# Allegro board ftu_k64_evk.brd
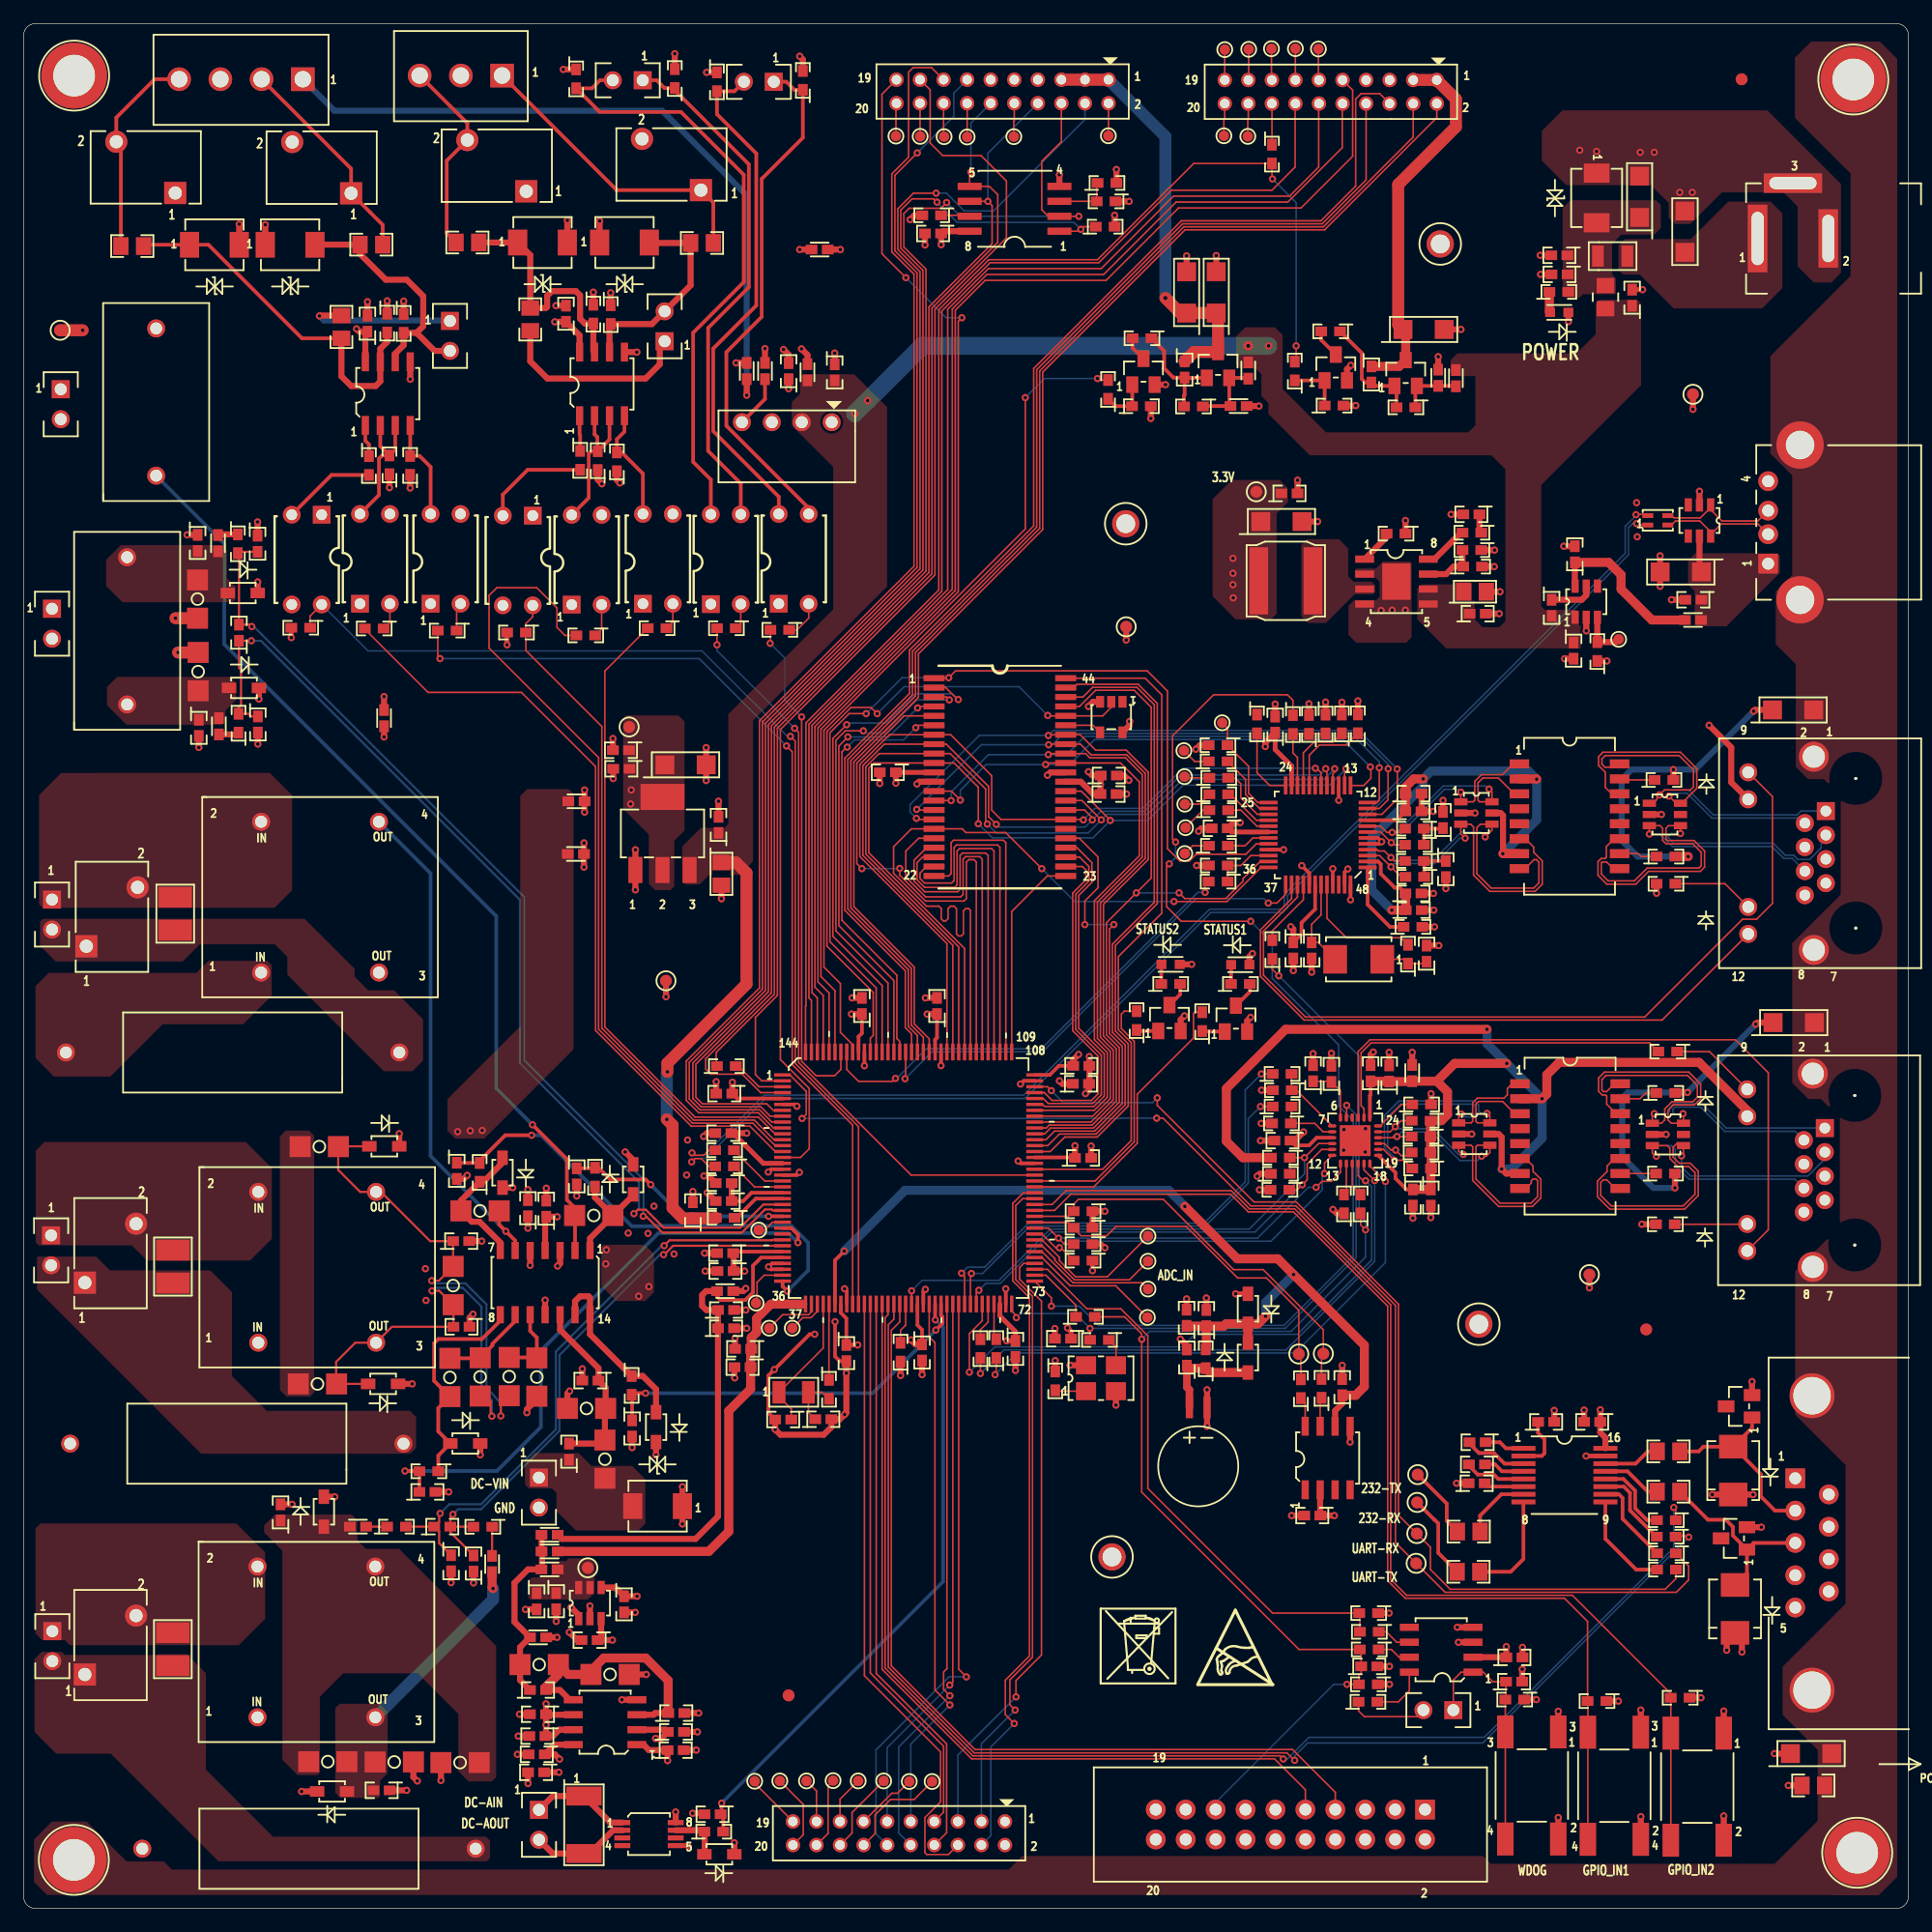
[diagram p0: board, top side]
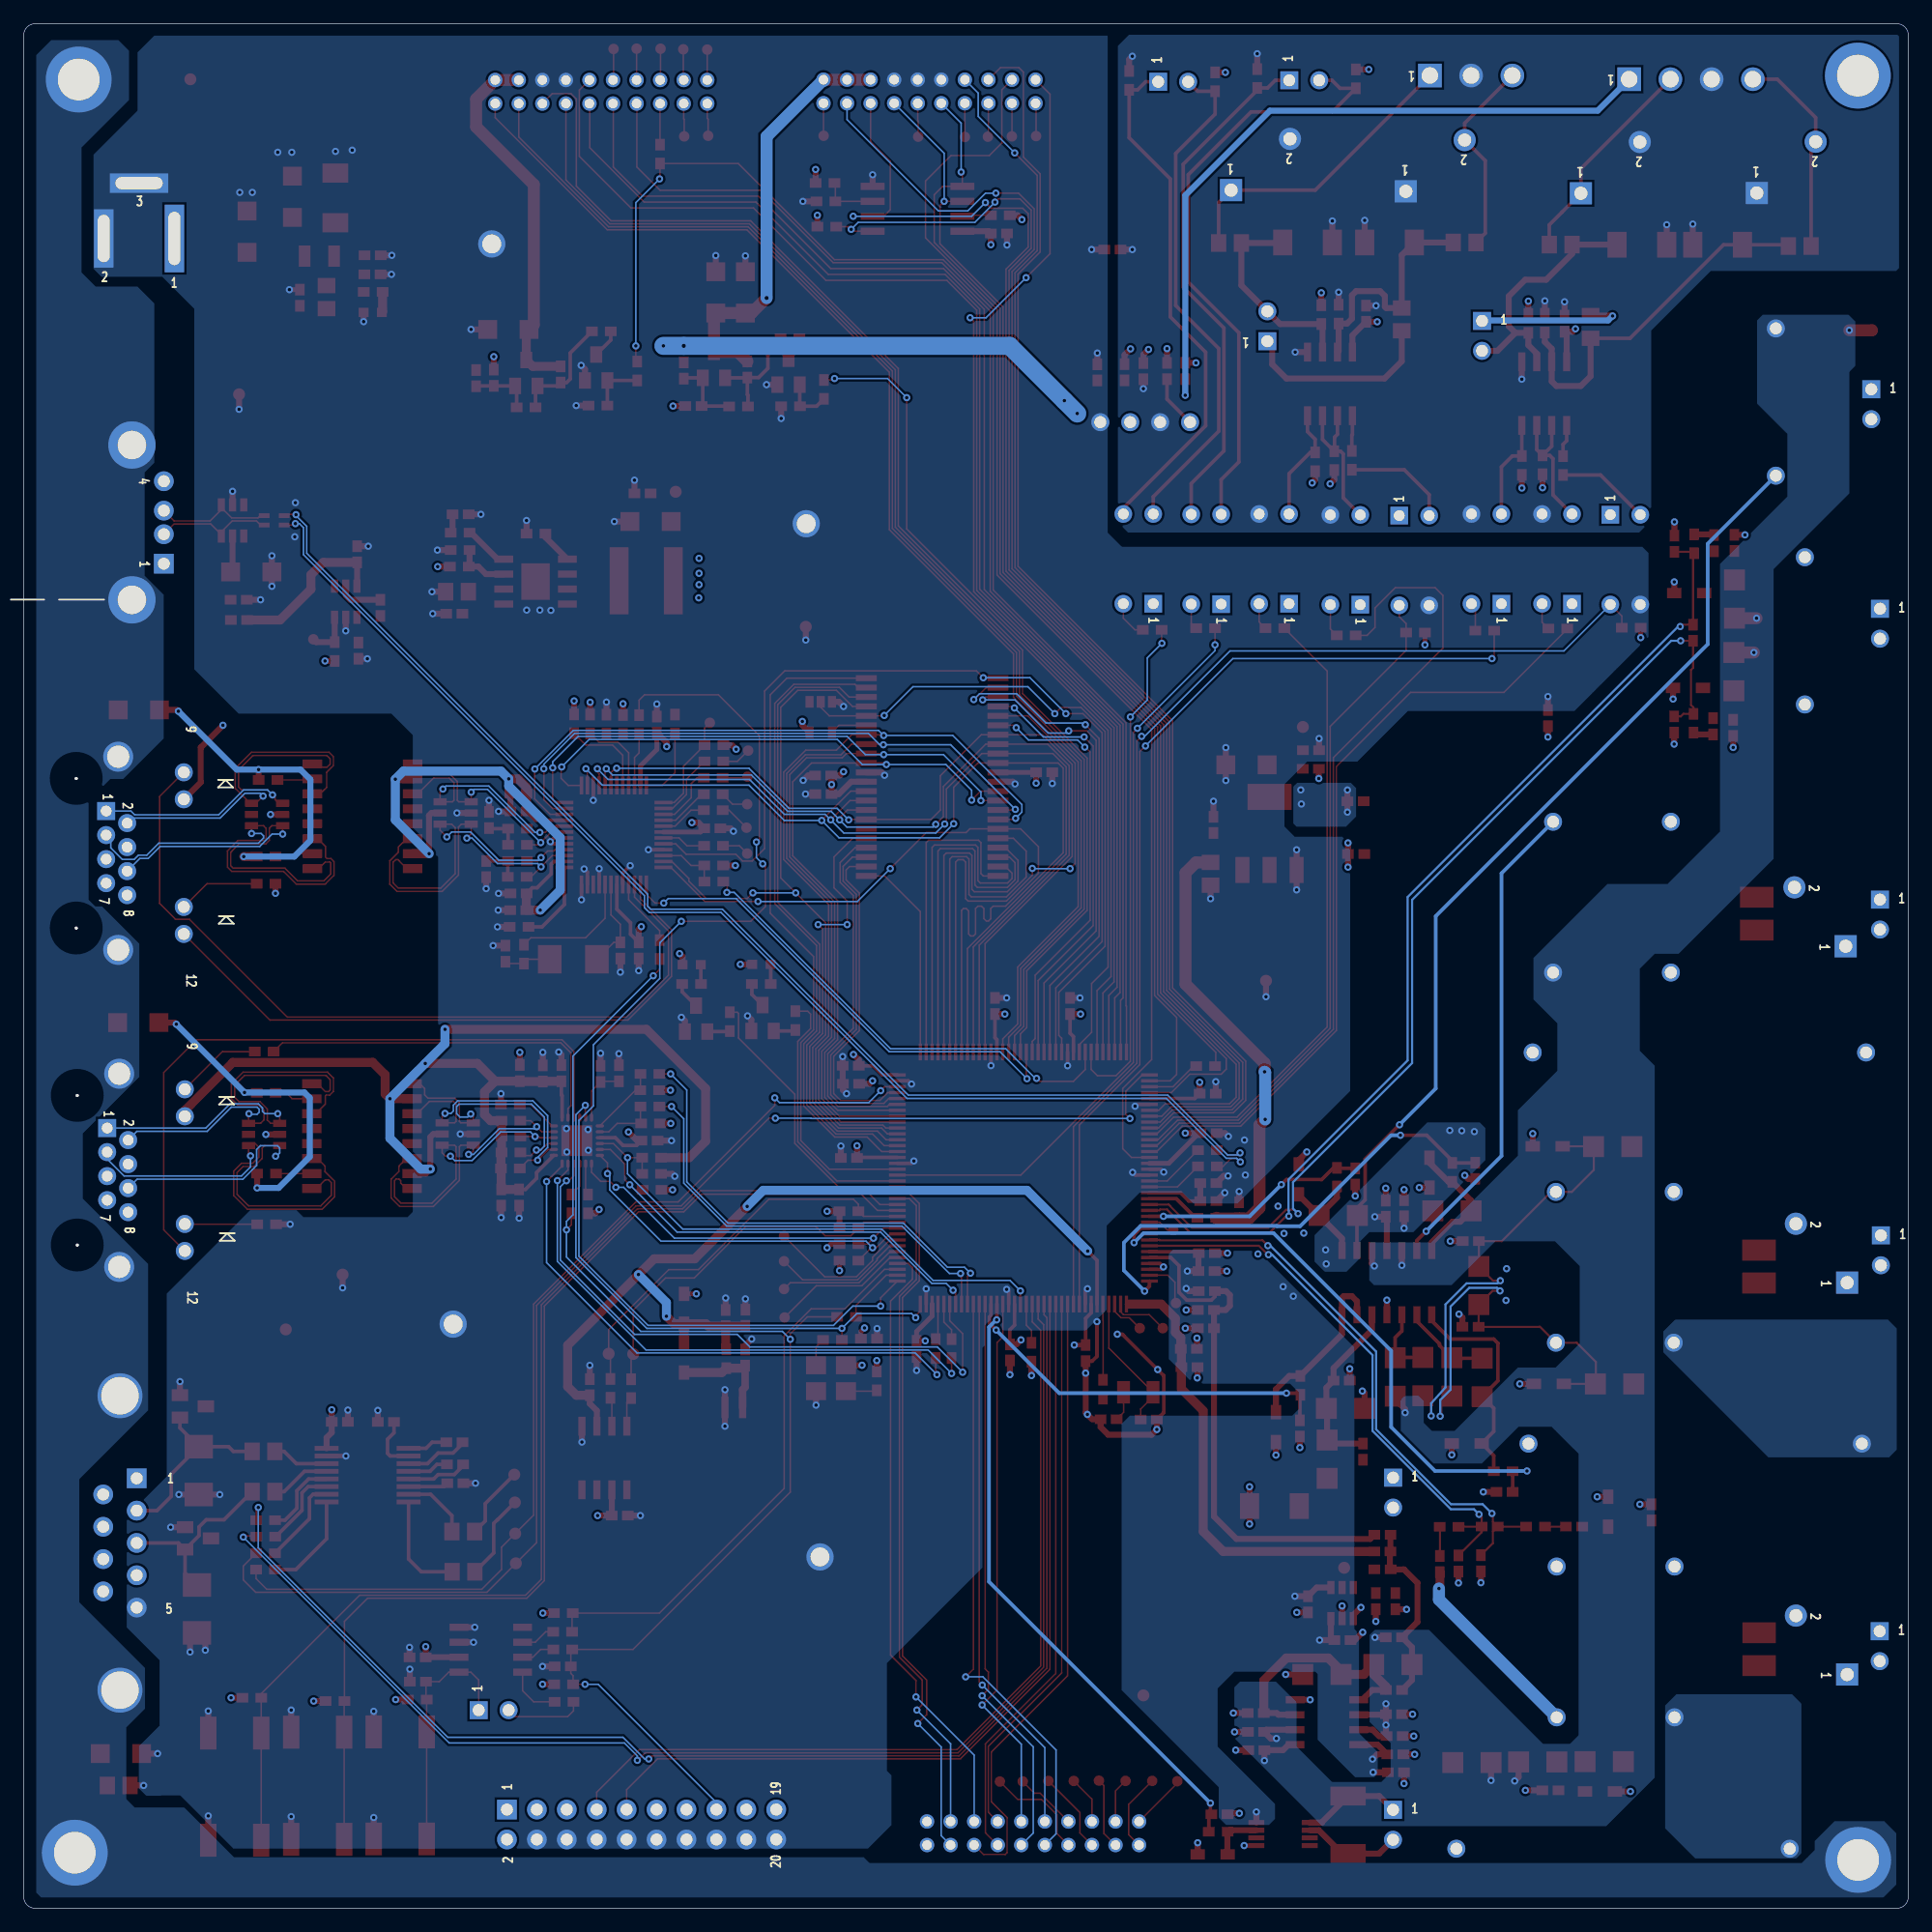
[diagram p1: board, bottom side, seen from below]

Outline 160 x 160 mm; copper layers: TOP, VCC, GND, BOTTOM. Coordinates in mm from the lower left corner of the outline.
Outline path: 0,158.98 0,1.02 arc(0.3,0.3) 1.02,0 158.98,0 arc(159.7,0.3) 160,1.02 160,158.98 arc(159.7,159.7) 158.98,160 1.02,160 arc(0.3,159.7) 0,158.98

## Design rules (mm)
net group AGND: nets N16923020 N16923054
net group DEBUG_RX: nets DEBUG_RX N16758843
net group DEBUG_TX: nets DEBUG_TX N16758837
net group DIFFPAIR0: nets ETH2_TXN ETH2_TXP
net group DIFFPAIR1: nets ETH2_RXN ETH2_RXP
net group DIFFPAIR2: nets ETH1_TXN ETH1_TXP
net group DIFFPAIR3: nets ETH1_RXN ETH1_RXP
net group DIFFPAIR4: nets ENET2_TX+ ENET2_TX-
net group DIFFPAIR5: nets ENET2_RX+ ENET2_RX-
net group DIFFPAIR6: nets ENET1_TX+ ENET1_TX-
net group DIFFPAIR7: nets ENET1_RX+ ENET1_RX-
net group DIFFPAIR8: nets USB_HOST_D_N USB_HOST_D_P
net group DIFFPAIR9: nets I2A_N I2A_P
net group DIFFPAIR11: nets U2_IN_L U2_IN_N
net group ENET_3V3A: nets ENET_3V3A RMII0_RXER
net group GPRS_PWR_CNTL: nets GPRS_PWR_CNTL N17042189
net group N16852593: nets N16852593 N16964483
net group RESET_B: nets N16852627 RESET_B
net group UART1_RX: nets N16997663 UART1_RX
net group UART1_TX: nets N16997666 UART1_TX
net group WDOG: nets N16852920 WDOG

## Placement (name value [footprint] x y rotation side)
BT1  MS621  [BAT_621]  99.71 40.93 180 top
C1  4.7UF  [CC0603]  89.76 70 0 top
C2  0.1UF  [CC0603]  77.54 76.61 90 top
C3  0.1UF  [CC0603]  71.17 76.61 90 top
C4  0.1UF  [CC0603]  89.94 63.7 0 top
C5  0.1UF  [CC0603]  59.48 69.16 180 top
C6  0.1UF  [CC0603]  69.84 47.14 270 top
C7  0.1UF  [CC0603]  59.41 65.81 180 top
C8  0.1UF  [CC0603]  89.78 71.53 0 top
C9  0.1UF  [CC0603]  76.27 47.19 270 top
C10  0.1UF  [CC0603]  84.2 47.5 270 top
C11  0.1UF  [CC0603]  61.08 47.5 180 top
C12  1.0UF  [CC0603]  61.03 45.95 180 top
C13  0.1UF  [CC0603]  59.63 49.25 0 top
C14  1.0UF  [CC0603]  59.63 50.8 0 top
C15  0.1UF  [CC0603]  59.56 55.63 180 top
C16  1.0UF  [CC0603]  59.58 54.1 180 top
C17  0.1UF  [CC0603]  59.43 61.57 180 top
C18  1.0UF  [CC0603]  59.43 60.05 180 top
C19  0.1UF  [CC0603]  56.81 59.26 90 top
C20  5.6PF  [CC0603]  64.49 41.5 180 top
C21  5.6PF  [CC0603]  67.89 41.53 0 top
C22  0.1UF  [CC0603]  109.39 33.35 180 top
C23  0.1UF  [CC0603]  111.93 44.25 90 top
C24  1.0UF  [CC0603]  100.4 50.11 90 top
C25  0.1UF  [CC0603]  98.72 50.14 90 top
C26  0.1UF  [CC0603]  88.23 48.36 180 top
C27  0.1UF  [CC0603]  98.75 46.76 90 top
C28  4.7UF  [CC0603]  73.36 96.44 180 top
C29  0.1UF  [CC0603]  92.1 94.6 0 top
C30  0.1UF  [CC0603]  92.13 96.17 0 top
C31  0.1UF  [CC0603]  77.21 142.18 180 top
C32  1.0UF  [CC0603]  44.37 59.4 90 top
C33  0.1UF  [CC0603]  42.81 59.44 90 top
C34  3300PF  [CC0603]  46.96 62.14 270 top
C35  0.01UF  [CC0603]  14.88 100.22 270 top
C36  3300PF  [CC0603]  19.89 100.5 270 top
C37  1000PF  [CC0603]  18.28 108.29 90 top
C38  0.01UF  [CC0603]  14.78 115.91 270 top
C39  3300PF  [CC0603]  36.77 62.61 270 top
C40  3300PF  [CC0603]  19.86 115.84 270 top
C41  4700pF  [CC1210]  12.87 84.44 90 top
C42  3300PF  [CC0603]  34.28 35.36 0 top
C43  0.01UF  [CC0603]  37.15 56.65 0 top
C44  4700pF  [CC1210]  12.68 54.48 90 top
C45  0.01UF  [CC0603]  37.17 49.37 180 top
C46  0.01UF  [CC0603]  46.3 38.77 90 top
C47  0.01UF  [CC0603]  48.11 44.81 180 top
C48  3300PF  [CC0603]  51.66 40.75 270 top
C49  0.01UF  [CC0603]  21.81 33.62 90 top
C50  3300PF  [CC0603]  36.29 29.3 270 top
C51  4700pF  [CC1210]  12.67 22.01 90 top
C52  1000PF  [CC0603]  35.54 32.41 0 top
C53  0.01UF  [CC0603]  30.39 10.03 180 top
C54  3300PF  [CC0603]  38.2 29.28 90 top
C55  3300PF  [CC0603]  58.49 7.99 180 top
C56  1.0UF  [CC0603]  50.97 25.82 270 top
C57  0.1UF  [CC0603]  48.05 22.78 180 top
C58  1.0UF  [CC0603]  43.55 26.07 270 top
C59  0.1UF  [CC0603]  45.21 26.08 270 top
C60  4.7UF  [CC0603]  115.92 70.88 90 top
C61  0.1UF  [CC0603]  119.46 60.35 270 top
C62  0.1UF  [CC0603]  106.87 65.18 180 top
C63  0.1UF  [CC0603]  117.93 60.35 270 top
C64  0.1UF  [CC0603]  114.35 70.9 90 top
C65  1000PF  [CC1206]  150.26 75.2 0 top
C66  1000PF  [CC1206]  151.73 13.14 0 top
C67  1.0UF  [CC0603]  111.02 70.84 90 top
C68  0.1UF  [CC0603]  109.46 70.9 90 top
C69  4.7UF  [CC0603]  107.79 81.32 270 top
C70  0.1UF  [CC0603]  106.24 100.49 90 top
C71  0.1UF  [CC0603]  101.54 91.69 180 top
C72  4.7UF  [CC0603]  117.99 94.63 0 top
C73  0.1UF  [CC0603]  117.98 93.12 0 top
C74  0.1UF  [CC0603]  118.01 84.74 0 top
C75  0.1UF  [CC0603]  117.98 86.16 0 top
C76  1000PF  [CC1206]  150.21 101.74 0 top
C77  8PF  [CC0603]  119.1 81.05 90 top
C78  8PF  [CC0603]  109.34 81.32 270 top
C80  100uF  [CC1206]  140.67 113.45 180 top
C81  2.2uF  [CC0603]  141.74 111.09 180 top
C82  2.2uF  [CC0603]  131.58 106.77 270 top
C83  1000PF  [CC0603]  129.71 110.4 270 top
C84  2.2uF  [CC0603]  131.68 114.95 90 top
C85  0.1UF  [CC0603]  29.19 134.53 90 top
C86  0.1UF  [CC0603]  68.85 130.39 270 top
C87  0.1UF  [CC0603]  64.94 130.49 90 top
C88  0.1UF  [CC0603]  46.05 135.37 90 top
C89  0.1UF  [CC0603]  129.24 41.3 0 top
C90  0.1UF  [CC0603]  133.15 41.3 180 top
C91  0.1UF  [CC0603]  123.35 36.09 0 top
C92  0.1UF  [CC0603]  123.38 37.69 180 top
C93  0.1UF  [CC0603]  123.43 39.57 180 top
C95  0.1UF  [CC0603]  126.52 19.25 0 top
C96  0.1UF  [CC0603]  126.55 21.31 0 top
C97  0.1UF  [CC0603]  114.23 20.55 0 top
C98  100uF  [CC1206]  98.73 137.18 90 top
C99  100uF  [CC1206]  101.24 137.18 90 top
C100  0.1UF  [CC0603]  98.56 130.63 270 top
C101  100uF  [CC1206]  118.84 134.03 0 top
C102  0.1UF  [CC0603]  114.41 130.21 270 top
C103  100uF  [CC1206]  137.18 145.3 90 top
C104  1.0UF  [CC0603]  130.38 138.71 180 top
C105  0.1UF  [CC0603]  130.37 140.33 180 top
C106  0.1UF  [CC0603]  136.55 136.73 90 top
C107  10UF  [CC0805]  123.21 111.77 0 top
C108  0.1UF  [CC0603]  123.44 109.91 0 top
C109  47uF  [CC1206]  106.78 117.73 0 top
C110  0.1UF  [CC0603]  107.46 120.12 0 top
C111  470pF  [CC0603]  122.9 118.34 180 top
C112  10UF  [CC0805]  59.24 87.83 270 top
C113  0.1UF  [CC0603]  58.99 91.98 90 top
C114  47uF  [CC1206]  56.19 97.08 0 top
C115  0.1UF  [CC0603]  50.74 96.74 180 top
C116  0.1UF  [CC0603]  50.71 98.32 180 top
C117  0.1UF  [CC0603]  43.56 13.08 180 top
C118  1.0UF  [CC0603]  43.51 11.56 180 top
C119  0.1UF  [CC0603]  43.67 16.48 180 top
C120  1.0UF  [CC0603]  55.38 14.99 0 top
C121  0.1UF  [CC0603]  55.35 13.44 0 top
C122  1.0UF  [CC0603]  43.61 14.63 180 top
C123  0.1UF  [CC0603]  43.67 18.54 0 top
C124  0.1UF  [CC0603]  55.41 16.59 0 top
C125  0.1UF  [CC0603]  120.49 92.39 90 top
C126  0.1UF  [CC0603]  120.73 88.23 270 top
CT1  TR2155-2C 5A:2.5mA  [CT_2A]  11.26 127.87 90 top
CT2  TR2155-2C 5A:2.5mA  [CT_2A]  8.79 108.45 90 top
D1  NSR0320  [SOD323]  103.93 50.9 0 top
D2  NSR0320  [SOD323]  103.93 46.76 180 top
D3  PESD3V3L1BA  [SOD323]  51.75 61.89 180 top
D4  PESD3V3L1BA  [SOD323]  40.66 62.46 0 top
D5  PESD3V3L1BA  [SOD323]  37.5 39.47 90 top
D6  PESD3V3L1BA  [SOD323]  53.69 40.86 0 top
D7  PESD3V3L1BA  [SOD323]  59.06 4.6 90 top
D8  RED  [LED_0603]  103.29 80.11 180 top
D9  RED  [LED_0603]  97.37 80.14 180 top
D10  SMP100LC-25  [DO-214AA]  145.28 25.43 90 top
D11  SMP100LC-25  [DO-214AA]  145.13 37.17 90 top
D12  LED_GREEN  [LED_0603]  130.36 135.48 0 top
D13  PESD3V3L1BA  [SOD323]  18.71 103.61 90 top
D14  PESD3V3L1BA  [SOD323]  18.61 111.66 90 top
D15  PESD3V3L1BA  [SOD323]  30.62 64.7 90 top
D16  PESD3V3L1BA  [SOD323]  30.52 44.53 90 top
D17  PESD3V3L1BA  [SOD323]  26.19 9.93 270 top
D18  PESD3V3L1BA  [SOD323]  25.49 33.68 180 top
DN1  ESDA14V2L  [SOT-23]  145.19 31.41 90 top
DN2  ESDA14V2L  [SOT-23]  145.62 42.62 90 top
F1  5A/32V  [FUSE_3P4X1P8]  134.89 140.26 180 top
J1  HDR 1X2  [HDR102]  3.16 128.96 0 top
J2  HDR 1X2  [HDR102]  2.42 110.32 0 top
J3  HDR 1X2  [HDR102]  2.42 85.64 0 top
J4  HDR 1X2  [HDR102]  2.34 57.14 0 top
J5  HDR 1X2  [HDR102]  43.75 36.57 0 top
J6  HDR 1X2  [HDR102]  43.75 8.37 0 top
J7  HDR 1X2  [HDR102]  2.44 23.53 0 top
J8  HDR 1X2  [HDR102]  52.56 155.19 270 top
J9  HDR 1X2  [HDR102]  63.68 155.06 270 top
J10  Female HDR_2X10_2MM  [HDR210_2MM]  74.31 6.38 180 top
J11  USB_TYPE_A  [USB_A]  148.09 114.15 90 top
J12  HDR 1X2  [HDR102]  36.2 134.76 0 top
J13  TB_1X4  [CON4_3P5_14P5X7MM]  23.71 155.28 180 top
J14  HDR 1X2  [HDR102]  54.42 133.03 180 top
J15  TB_1X3  [CON3_3P5_11X7MM]  40.62 155.59 180 top
J16  DB9  [CON_DB9S_RA_318]  150.39 36.51 0 top
J17  HDR 1X2  [HDR102]  121.37 16.83 270 top
J18  HDR 2X10  [HDR_2X10]  118.97 8.39 270 top
J21  Female HDR_2X10_2MM  [HDR210_2MM]  83.1 154.24 180 top
J22  Female HDR_2X10_2MM  [HDR210_2MM]  110.96 154.21 180 top
L1  120OHM  [IND_0603]  59.56 52.4 0 top
L2  120OHM  [IND_0603]  30.6 101.04 90 top
L3  120OHM  [IND_0603]  46.88 89.51 0 top
L4  120OHM  [IND_0603]  46.93 93.98 0 top
L5  120OHM  [IND_0603]  16.58 100.35 270 top
L6  120OHM  [IND_0603]  16.51 115.89 90 top
L7  120OHM  [IND_0603]  28.39 32.41 0 top
L8  120OHM  [IND_0603]  39.77 29.23 90 top
L9  120OHM  [IND_0603]  44.66 30.3 180 top
L10  120OHM  [IND_0603]  44.65 28.78 180 top
L11  120OHM  [IND_0603]  117.88 70.91 270 top
L12  120OHM  [IND_0603]  141.71 109.37 0 top
L14  90OHM  [IND4_CHOKE_0805]  138.72 117.83 0 top
L15  120OHM  [IND_0603]  62.94 130.5 90 top
L16  120OHM  [IND_0603]  66.54 130.4 90 top
L17  120OHM  [IND_0603]  61.39 130.51 90 top
L18  120OHM  [IND_0603]  67.58 140.82 180 top
L20  120OHM  [IND_0603]  103.14 127.53 0 top
L21  120OHM  [IND_0603]  120.08 129.93 90 top
L22  120OHM  [IND_0603]  103.96 130.55 90 top
L23  120OHM  [IND_0603]  121.58 129.9 90 top
L24  60ohm  [IND_0805]  134.28 136.78 270 top
L25  2.2uH  [IND2_6P3X6P3]  107.15 112.7 180 top
L26  120OHM  [IND_0603]  43.68 23.01 180 top
L27  120OHM  [IND_0603]  44.65 31.72 180 top
NOREF  -  []  110.98 63.12 0 top
NOREF#2  -  []  51.71 34.15 0 top
NOREF#3  -  []  106.38 94.63 0 top
NOREF#4  -  []  113.79 63.22 0 top
NOREF#5  -  []  64.43 53.25 0 top
NOREF#6  -  [unnamed#2]  145.84 155.27 0 top
NOREF#7  -  []  121.84 141.29 0 top
NOREF#8  -  []  48.9 141.41 0 top
NOREF#9  -  []  20.33 139.24 0 top
NOREF#10  -  []  41.75 139.43 0 top
NOREF#11  -  []  -404.37 -311.53 0 top
NOREF#12  -  []  135.53 68.73 90 top
NOREF#13  -  []  95.15 117.54 0 top
NOREF#14  -  []  134.96 59.08 90 top
NOREF#15  -  []  20.52 141.22 0 top
NOREF#16  -  []  51.52 36.13 0 top
NOREF#17  -  []  127.6 59.08 0 top
NOREF#18  -  []  70.38 51.3 0 top
NOREF#19  -  [unnamed#2]  64.94 18.08 0 top
NOREF#20  -  []  6.6 -66.29 0 top
NOREF#21  -  []  135.48 88.27 90 top
NOREF#22  -  []  93.98 29.84 0 top
NOREF#23  -  []  13.9 139.24 0 top
NOREF#24  -  []  135.53 61.11 90 top
NOREF#25  -  []  99.69 19 0 top
NOREF#26  -  []  111.08 63.93 90 top
NOREF#27  -  []  15.32 0 90 top
NOREF#28  -  []  111.08 63.93 90 top
NOREF#29  -  []  -232.21 -153.95 0 top
NOREF#30  -  []  127.55 86.23 0 top
NOREF#31  -  []  91.43 19.1 0 top
NOREF#32  -  []  134.91 86.23 90 top
NOREF#33  -  [unnamed#2]  137.74 49.15 0 top
NOREF#34  -  []  110.98 63.12 90 top
NOREF#35  -  []  48.71 139.43 0 top
NOREF#36  -  []  135.48 95.89 90 top
NOREF#37  -  []  125.12 49.6 0 top
NOREF#38  -  []  14.09 141.22 0 top
NOREF#39  -  []  105.68 88.37 0 top
NOREF#40  -  []  106.38 87.62 90 top
NOREF#41  -  []  0 155.61 0 top
NOREF#42  -  []  65.13 52 0 top
NOREF#43  -  []  131.55 142.9 90 top
NOREF#44  -  []  107.14 86.92 0 top
NOREF#45  -  []  114.09 93.37 90 top
NOREF#46  -  []  85.13 52 90 top
NOREF#47  -  []  -355.73 203.96 0 top
NOREF#48  -  []  111.79 63.22 0 top
NOREF#49  -  []  66.38 51.3 90 top
NOREF#50  -  []  133.53 143.09 90 top
NOREF#51  -  []  -74.1 -230.2 0 top
NOREF#52  -  []  107.14 86.92 90 top
NOREF#53  -  []  41.94 141.41 0 top
NOREF#54  -  []  51.56 -26.42 180 bottom
NOREF#55  -  []  59.05 -22.99 180 bottom
NOREF#56  -  []  72.26 -25.27 180 bottom
NOREF#57  -  []  50.03 -19.56 180 bottom
NOREF#58  -  []  70.99 -21.34 180 bottom
NOREF#59  -  []  57.14 -30.23 180 bottom
P1  CONN RJ45 8  [CON8_RJ45_LED_JACK]  152.9 66.24 90 top
P2  CONN RJ45 8  [CON8_RJ45_LED_JACK]  152.99 93.15 90 top
P3  CONN PWR 1  [PJ-202B]  147.2 141.76 0 top
PT1  TR3121 2.5mA:2.5mA  [PT_4P]  25.17 85.84 0 top
PT2  TR3121 2.5mA:2.5mA  [PT_4P]  24.92 54.42 0 top
PT3  TR3121 2.5mA:2.5mA  [PT_4P]  24.86 22.62 0 top
Q1  MMBT3904LT1G  [SOT-23]  102.91 75.53 0 top
Q2  MMBT3904LT1G  [SOT-23]  97.27 75.58 0 top
Q3  AO3415  [SOT-23]  101.4 131.03 0 top
Q4  AO3415  [SOT-23]  117.32 130.34 0 top
Q5  2N7002  [SOT-23]  95.06 130.45 0 top
Q6  2N7002  [SOT-23]  111.39 130.8 0 top
QZ1  32.768KHZ  [XTAL2-3P2X1P5-SM]  65.37 43.81 0 top
R1  10.0K  [RC0603]  74.44 47.22 90 top
R2  22  [RC0603]  81.22 47.52 90 top
R3  0  [RC0603]  59.56 58.62 180 top
R4  22  [RC0603]  82.57 47.52 90 top
R5  4.7K  [RC0603]  89.94 59.18 180 top
R6  4.7K  [RC0603]  89.94 57.78 180 top
R7  4.7K  [RC0603]  89.94 56.39 180 top
R8  4.7K  [RC0603]  89.94 54.99 180 top
R9  22  [RC0603]  59.51 64.36 180 top
R10  22  [RC0603]  59.51 62.99 180 top
R11  0  [RC0603]  90.14 50.22 0 top
R12  22  [RC0603]  68.37 44.07 270 top
R13  22  [RC0603]  59.66 71.5 0 top
R14  0  [RC0603]  108.43 44.12 90 top
R15  0  [RC0603]  110.18 44.15 90 top
R16  10.0K  [RC0603]  87.57 44.78 270 top
R17  1K  [RC0603]  100.35 46.66 90 top
R18  22  [RC0603]  91.33 48.26 180 top
R23  10.0K  [RC0603]  91.97 146.47 0 top
R24  10.0K  [RC0603]  91.82 142.76 0 top
R25  10.0K  [RC0603]  77.09 143.73 180 top
R26  10.0K  [RC0603]  91.89 144.91 180 top
R27  100  [RC0603]  48.51 62.07 90 top
R28  200  [RC_MELF_0204]  48.4 58.82 0 top
R29  100  [RC0603]  18.25 100.61 90 top
R30  100  [RC_MELF_0204]  14.82 104.99 90 top
R31  100  [RC0603]  38.72 62.48 90 top
R32  100  [RC_MELF_0204]  14.77 111.15 90 top
R33  200  [RC_MELF_0204]  38.75 59.21 180 top
R34  100  [RC0603]  18.19 115.84 270 top
R35  11K  [RC_MELF_0204]  43.57 45.11 90 top
R36  EE1/2 160K BC3  [RES_TH]  17.75 72.66 180 top
R37  10K  [RC_MELF_0204]  41.22 45.15 90 top
R38  100  [RC0603]  34.4 37.11 180 top
R39  10K  [RC_MELF_0204]  38.76 45.12 90 top
R40  11K  [RC_MELF_0204]  36.19 45.07 270 top
R41  EE1/2 160K BC3  [RES_TH]  18.1 39.45 180 top
R42  200  [RC_MELF_0204]  25.11 64.67 180 top
R43  680  [RC_MELF_0204]  36.47 52.87 270 top
R44  200  [RC_MELF_0204]  24.95 44.52 0 top
R45  100K  [RC_MELF_0204]  49.35 38.14 90 top
R46  100  [RC0603]  51.62 44.4 270 top
R47  2K  [RC_MELF_0204]  47.79 42.44 180 top
R48  0.5  [RC2010]  47.57 7.1 270 top
R49  100  [RC0603]  31.66 32.41 0 top
R50  EE1/2 160K BC3  [RES_TH]  24.23 5.07 180 top
R51  200  [RC_MELF_0204]  37.05 12.38 180 top
R52  680  [RC_MELF_0204]  25.82 12.46 0 top
R53  200  [RC_MELF_0204]  31.47 12.43 180 top
R54  100  [RC0603]  38.99 32.4 180 top
R55  100  [RC0603]  58.59 6.51 0 top
R56  10.0K  [RC0603]  106.78 66.64 180 top
R57  10.0K  [RC0603]  106.86 69.46 180 top
R58  10.0K  [RC0603]  106.65 61 180 top
R59  49.9  [RC0603]  118.64 66.87 180 top
R60  49.9  [RC0603]  118.63 65.52 180 top
R61  49.9  [RC0603]  118.63 64.18 180 top
R62  49.9  [RC0603]  118.68 62.82 180 top
R63  22  [RC0603]  106.83 68.07 0 top
R64  22  [RC0603]  106.83 70.84 0 top
R65  75.0  [RC0603]  139.38 62.38 0 top
R66  75.0  [RC0603]  139.4 69.23 0 top
R67  470  [RC0603]  139.37 58.08 180 top
R68  470  [RC0603]  139.57 72.73 180 top
R69  0  [RC0603]  113.5 59.8 90 top
R70  0  [RC0603]  106.69 63.73 180 top
R71  10.0K  [RC0603]  112.09 59.8 90 top
R72  0  [RC0805]  151.92 10.44 0 top
R73  12.1K  [RC0603]  118.68 68.25 0 top
R74  10.0K  [RC0603]  106.69 62.36 0 top
R75  49.9  [RC0603]  118.07 90.29 180 top
R76  49.9  [RC0603]  118.07 91.66 180 top
R77  49.9  [RC0603]  118.1 87.57 180 top
R78  49.9  [RC0603]  118.07 88.92 180 top
R79  10.0K  [RC0603]  111.91 100.55 90 top
R80  10.0K  [RC0603]  113.27 100.56 90 top
R81  10.0K  [RC0603]  109.11 100.5 90 top
R82  10.0K  [RC0603]  101.39 98.74 180 top
R83  10.0K  [RC0603]  101.42 88.53 180 top
R84  0  [RC0603]  101.43 90.21 0 top
R85  0  [RC0603]  101.45 93.23 0 top
R86  0  [RC0603]  101.45 94.57 0 top
R87  0  [RC0603]  101.45 95.97 0 top
R88  10.0K  [RC0603]  110.52 100.54 270 top
R89  0  [RC0603]  101.4 97.37 0 top
R90  0  [RC0603]  104.7 100.55 270 top
R91  0  [RC0603]  107.75 100.5 270 top
R92  75.0  [RC0603]  139.42 89.29 0 top
R93  75.0  [RC0603]  139.25 95.79 0 top
R94  470  [RC0603]  139.42 86.98 180 top
R95  0  [RC0603]  101.4 87.16 180 top
R96  22  [RC0603]  117.52 81.01 90 top
R97  6.80K  [RC0603]  117.94 83.32 0 top
R98  0  [RC0603]  106 81.39 90 top
R99  470  [RC0603]  103.29 78.47 0 top
R100  470  [RC0603]  97.38 78.47 0 top
R101  1K  [RC0603]  100.05 75.28 90 top
R102  1K  [RC0603]  94.49 75.37 90 top
R103  4.7K  [RC0603]  58.86 155.05 270 top
R104  4.7K  [RC0603]  46.91 155.3 270 top
R105  1K  [RC0603]  64.19 108.54 180 top
R106  1K  [RC0603]  59.66 108.67 180 top
R107  0  [RC0603]  66.15 155.17 90 top
R108  0  [RC0603]  55.28 155.33 90 top
R109  10.0K  [RC0603]  133.56 17.6 180 top
R110  10.0K  [RC0603]  140.62 17.88 180 top
R111  10.0K  [RC0603]  133.59 106.69 90 top
R112  4.7K  [RC0603]  23.53 108.71 180 top
R113  1K  [RC0603]  29.32 122.48 270 top
R114  4.7K  [RC0603]  31.06 122.54 90 top
R115  1K  [RC0603]  29.77 108.65 180 top
R116  1K  [RC0603]  32.26 134.55 270 top
R117  1K  [RC0603]  30.87 134.57 270 top
R118  4.7K  [RC0603]  32.81 122.49 90 top
R119  1K  [RC0603]  35.96 108.47 180 top
R120  4.7K  [RC0603]  41.84 108.31 180 top
R121  1K  [RC0603]  47.25 122.92 270 top
R122  10  [RC0805]  29.52 141.23 0 top
R123  4.7K  [RC0603]  48.74 122.9 90 top
R124  120  [RC0805]  26.98 134.25 270 top
R125  1K  [RC0603]  47.72 108.06 180 top
R126  1K  [RC0603]  49.84 135.29 270 top
R127  1K  [RC0603]  48.37 135.33 270 top
R128  10  [RC0805]  9.23 141.11 180 top
R129  10  [RC0805]  57.59 141.37 0 top
R130  4.7K  [RC0603]  50.36 122.8 90 top
R131  1K  [RC0603]  53.78 108.68 180 top
R132  120  [RC0805]  43.01 134.89 90 top
R133  10  [RC0805]  37.67 141.42 180 top
R134  0  [RC0603]  139.44 31.56 180 top
R135  10  [RC0805]  139.63 38.8 0 top
R136  0  [RC0603]  139.46 30.15 180 top
R137  10  [RC0805]  122.67 31.99 180 top
R138  0  [RC0603]  139.45 32.96 180 top
R139  10  [RC0805]  139.63 35.38 0 top
R140  0  [RC0603]  139.46 28.77 180 top
R141  10  [RC0805]  122.65 28.58 180 top
R142  10.0K  [RC0603]  126.58 17.73 180 top
R143  0  [RC0603]  114.12 17.54 0 top
R144  10.0K  [RC0603]  114.16 19.03 180 top
R145  10.0K  [RC0603]  114.18 25.07 180 top
R146  0  [RC0603]  114.23 21.98 180 top
R147  0  [RC0603]  114.24 23.48 180 top
R148  0  [RC0603]  105.97 148.92 270 top
R149  100K  [RC0603]  99.31 127.5 180 top